# Altium PCB ITA_v2_(before pin moves).PcbDoc
Units mm, origin at the board's own origin, x right, y up, seen from the top; angles counter-clockwise.
Board outline 66 x 110 mm, 2 copper layers (Component Side, Bottom Layer), stack 1.571 mm thick; 37 components, 40 nets, 155 pads, 2 vias.
Unrouted connection lines stored in the file: 1.
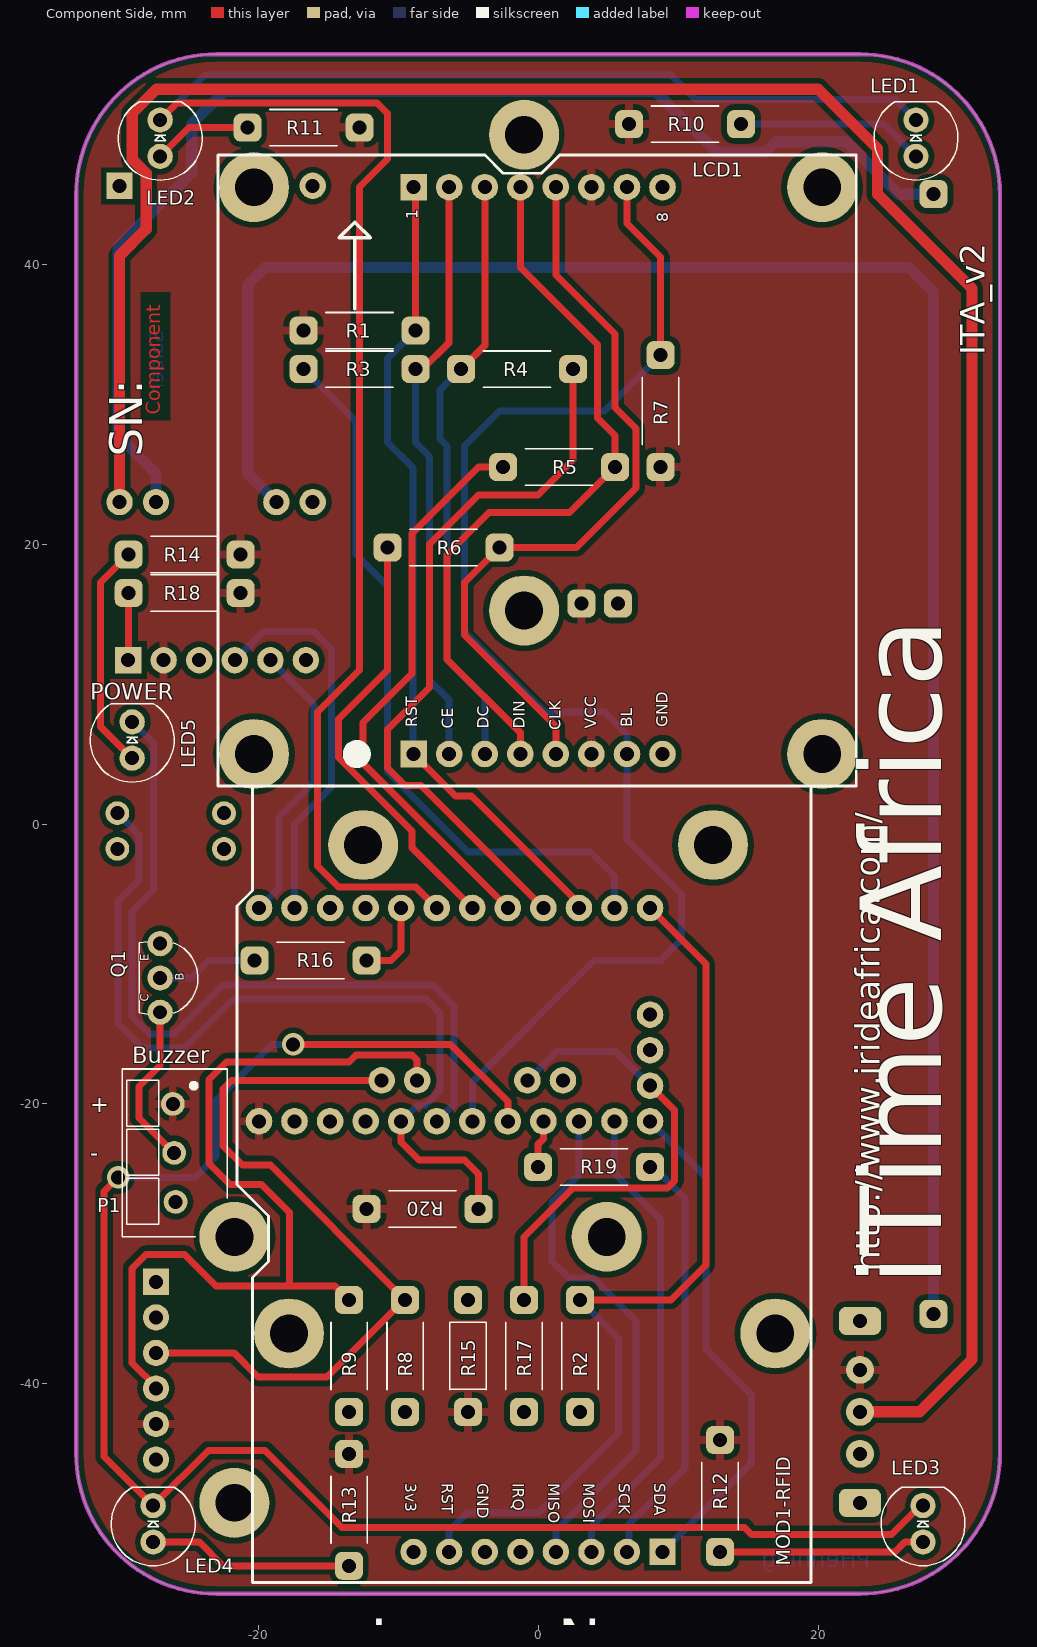
[diagram p0: Component Side view]
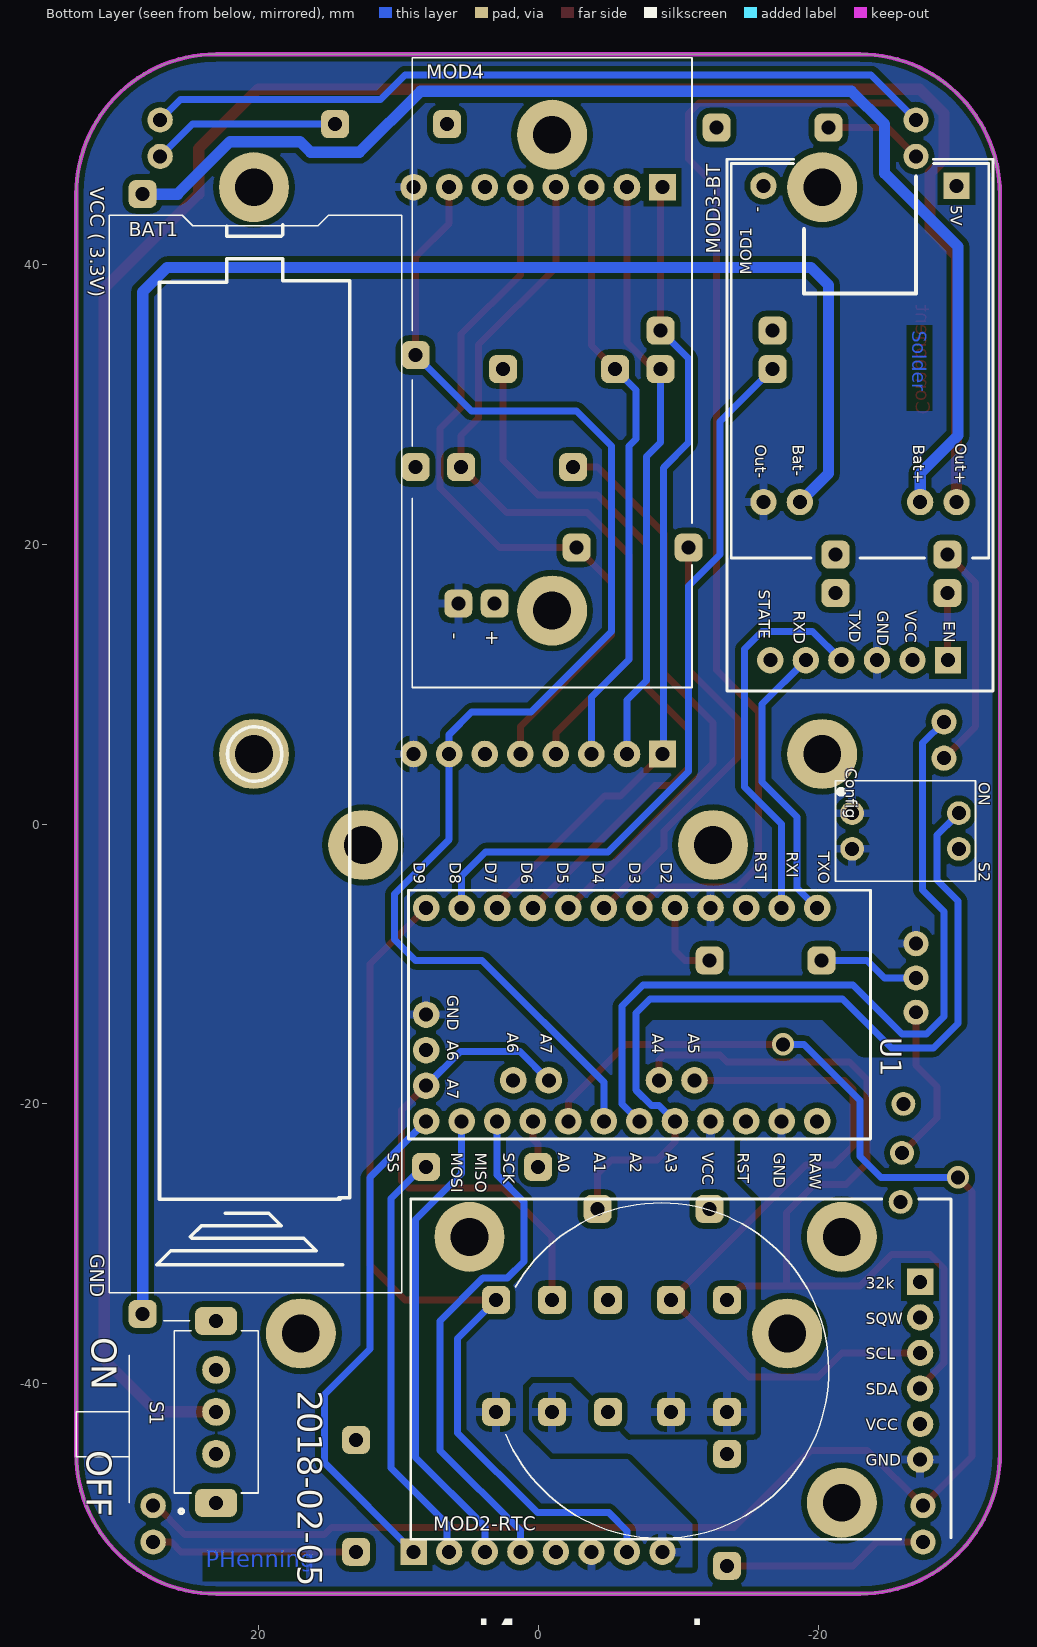
[diagram p1: Bottom Layer view, seen from below]
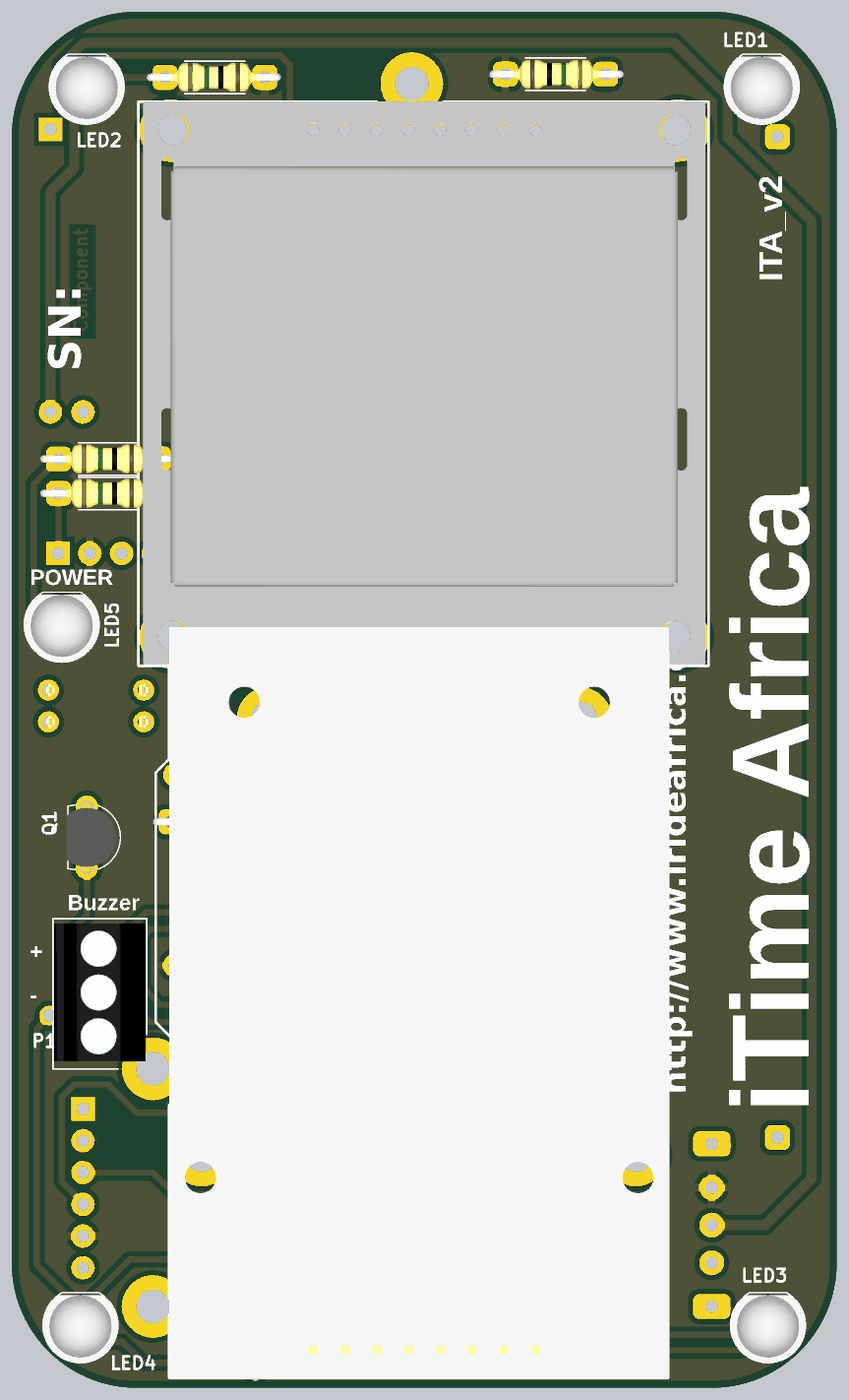
[diagram p2: 3D render of the assembled board from above, using the file's embedded part models]

## Layer stack, top to bottom
Top Solder: solder mask 0.0102, Solder Resist, Dk 3.5
Component Side: signal copper 0.0356
Dielectric 1: core 1.5, FR-4, Dk 4.2
Bottom Layer: signal copper 0.0356
Solder Side: solder mask 0.0102, Solder Resist, Dk 3.5

## Board outline
-33,-45 ccw(c-23,-45) -23,-55 23,-55 ccw(c23,-45) 33,-45 33,45 ccw(c23,45) 23,55 -23,55 ccw(c-23,45) -33,45

## Design rules (kind name [scope] priority, off if disabled: settings)
Clearance [All] p1: gap=0.2 ignorepadtopadclearanceinfootprint=FALSE except(0: Arc-Hole Track-Hole SMDPad-Hole THPad-Hole Via-Hole Fill-Hole Poly-Hole Region-Hole Text-Hole; 0.4: Arc-Fill Arc-Poly Arc-Region Track-Fill Track-Poly Track-Region SMDPad-Fill SMDPad-Poly SMDPad-Region THPad-Fill THPad-Poly THPad-Region Via-Fill Via-Poly Via-Region Fill-Fill Fill-Poly Fill-Region Poly-Poly Poly-Region Region-Region)
ComponentClearance "NT overlap" [(HasFootprint('NT 2 Pin 0.2mm Top')) vs (HasFootprint('RES 0402 H0-35 R'))] p1: gap=-1 collisioncheckmode=3 verticalgap=-1 showdistances=FALSE
ComponentClearance [All] p2: gap=0.19 collisioncheckmode=3 verticalgap=0.2 showdistances=TRUE
FabricationTestPointUsage TestPointUsage [All] p1: valid=0 allowmultiple=FALSE
FabricationTestpoint Testpoint [All] p1: side=3 testpointundercomponent=TRUE minsize=1.016 maxsize=2.54 preferedsize=1.524 minholesize=0 maxholesize=1.016 preferedholesize=0.813 testpointgrid=0.025 allowsidetop=TRUE allowsidebottom=TRUE usegrid=TRUE gridtolerance=0
Height "Height Top" [OnLayer('Top Layer')] p1: minheight=0 maxheight=20 prefheight=5
Height "Height Bottom" [OnLayer('Bottom Layer')] p2: minheight=0 maxheight=20 prefheight=1
HoleSize HoleSize_VIA [isvia] p1: absolutevalues=TRUE maxlimit=1 minlimit=0.25 maxpercent=80.000 minpercent=20.000
HoleSize [not isvia] p2: absolutevalues=TRUE maxlimit=3.3 minlimit=0.5 maxpercent=80.000 minpercent=20.000
HoleToHoleClearance [All] p1: gap=0.2 allowstackedmicrovias=TRUE
MaximumViaCount "Dif Pairs" [InAnyDifferentialPair] p1: limit=3
MinimumSolderMaskSliver [All] p1: minsoldermaskwidth=0.2
PlaneClearance BGA_VIAs [WithinRoom('Room_Kintex')] p1: clearance=0.25
PlaneClearance [All] p2: clearance=0.3
PlaneConnect "PlaneConnect THL" [IsThruPin] p1: planeconnectstyle=Relief reliefexpansion=0.2 reliefentries=4 reliefconductorwidth=0.4 reliefairgap=0.3
PlaneConnect [All] p2: planeconnectstyle=Direct reliefexpansion=0.381 reliefentries=4 reliefconductorwidth=0.381 reliefairgap=0.254
PolygonConnect Via [IsVia] p1: connectstyle=Direct reliefconductorwidth=0.254 reliefentries=4 polygonreliefangle="90 Angle" airgapwidth=0.254
PolygonConnect Direct [InPolygonClass('Direct connect')] p2: connectstyle=Direct reliefconductorwidth=0.254 reliefentries=4 polygonreliefangle="90 Angle" airgapwidth=0.254
PolygonConnect "Relief 0.3" [All] p3: connectstyle=Relief reliefconductorwidth=0.6 reliefentries=4 polygonreliefangle="90 Angle" airgapwidth=0.4
RoutingCorners [All] p1: cornerstyle=45-Degree minsetback=2 maxsetback=2
RoutingLayers "Impedance Traces" [InDifferentialPairClass('Diff 85R') or InDifferentialPairClass('Diff 100R')] p1: top layer_v5=TRUE bottom layer_v5=TRUE
RoutingLayers [All] p2: top layer_v5=TRUE bottom layer_v5=TRUE
RoutingVias [All] p1: holewidth=1 width=1.6 viastyle="Through Hole" minholewidth=1 minwidth=1.6 maxholewidth=1 maxwidth=1.6 // Hole Size specified as drill size
ShortCircuit "ShortCircuit No Net objects" [InNet('No Net') and (OnTopLayer or OnBottomLayer) vs InNet('No Net') and (OnTopLayer or OnBottomLayer)] p1 off: allowed=TRUE
SilkToSolderMaskClearance SilkscreenOverComponentPads [IsPad] p1: minsilkscreentomaskgap=0.01 clearancetoexposedcopper=FALSE
SolderMaskExpansion "SolderMaskExpansion Via" [isVia] p1: expansion=-0.125
SolderMaskExpansion [All] p2: expansion=0.05
ViasUnderSMD [All] p1 off: allowed=FALSE
Width "Width 50R" [InNetClass('50R')] p1: maxlimit=0.25 minlimit=0.2 preferedwidth=0.2 minimp=50.000000 maximp=50.000000 favimp=50.000000
Width "Width Power" [InNetClass('Power')] p2: maxlimit=1 minlimit=0.2 preferedwidth=0.6 minimp=50.000000 maximp=50.000000 favimp=50.000000
Width [All] p3: maxlimit=0.5 minlimit=0.2 preferedwidth=0.3 minimp=50.000000 maximp=50.000000 favimp=50.000000
17 further rules are at their usual default settings.

## Classes and differential pairs
net class Power: 3v3 batt_negative batt_positive Vload Vraw

## Components (designator, comment, footprint, x,y, rotation, side; value= is the part's Value field where it differs from the comment)
BAT1 "Battery Holder" "Battery Holder" 20.25,5 r270 bottom locked
LCD1 "nokia 5110 lcd" "Nokia 5110 GLCD 84x48" 0,5 r90 top locked
LED1 "LED Red 5mm" "LED THL 5x9mm Vert" 27,49 r90 top
LED2 "LED Red 5mm" "LED THL 5x9mm Vert" -27,49 r90 top
LED3 "LED Red 5mm" "LED THL 5x9mm Vert" 27.5,-50 r90 top
LED4 "LED Red 5mm" "LED THL 5x9mm Vert" -27.5,-50 r90 top
LED5 "LED Red 5mm" "LED THL 5x9mm Vert" -29,6 r90 top
MOD1 "Real Time Clock DS3231" Charger/protection -23,35 r270 bottom locked
MOD1-RFID "RFID module" RFID-RC522 0,-52 r270 top locked
MOD2-RTC "Real Time Clock DS3231" "RTC DS3231" -29.5,-39 r180 bottom locked
MOD3-BT "Bluetooth module" "BlueTooth Card" -23,9.5 r270 bottom locked
MOD4 "1S 3.7V Lithium Battery Capacity Indicator Module 4.2V" "Battery Indicator" -1,32.25 r270 bottom
P1 "3 pin Screw Terminal 3.5mm" "3x1 Screw terminal 3.5mm" -26,-23.5 r270 top
Q1 "2n3904" TO-92 -27,-11 r90 top
R1 "4k7" "Res 1/4W THP" -12.75,35.25 r0 top
R2 "4k7" "Res 1/4W THP" 3,-38 r90 top
R3 "100R" "Res 1/4W THP" -12.75,32.5 r0 top
R4 "100R" "Res 1/4W THP" -1.5,32.5 r180 top
R5 "100R" "Res 1/4W THP" 1.5,25.5 r0 top
R6 "100R" "Res 1/4W THP" -6.75,19.75 r0 top
R7 "4k7" "Res 1/4W THP" 8.75,29.5 r90 top
R8 "4k7" "Res 1/4W THP" -9.5,-38 r90 top
R9 "4k7" "Res 1/4W THP" -13.5,-38 r90 top
R10 "100R" "Res 1/4W THP" 10.5,50 r0 top
R11 "100R" "Res 1/4W THP" -16.75,49.75 r180 top
R12 "100R" "Res 1/4W THP" 13,-48 r270 top
R13 "100R" "Res 1/4W THP" -13.5,-49 r270 top
R14 "100R" "Res 1/4W THP" -25.25,19.25 r180 top
R15 "15K" "Res 1/4W THP" -5,-38 r270 top
R16 "100R" "Res 1/4W THP" -16.25,-9.75 r180 top
R17 "4k7" "Res 1/4W THP" -1,-38 r90 top
R18 "4k7" "Res 1/4W THP" -25.25,16.5 r180 top
R19 "100R" "Res 1/4W THP" 4,-24.5 r0 top
R20 "4k7" "Res 1/4W THP" -8.25,-27.5 r180 top
S1 "Slide Switch 3mm pitch" "Slide Switch 3mm" 23,-42 r90 bottom locked
S2 "2x DIP Switch 2.54mm pitch" "2way DIP switch" -26.25,-0.5 r180 bottom
U1 "Arduino Pro Mini" "ARDUINO PRO MINI v2 (NO FTDI)" 8,-6 r270 bottom locked

## Footprints (in the part's own frame and the unit in brackets; to place one, negate y for a bottom-side part, rotate by r counter-clockwise, add the part's x,y. Pads: shape width x height; smd on the part's side, far side on the other; paste and mask are expansions set on the pad)
"2way DIP switch" [mm] "2way DIP switch 2.54pitch"
  round 1.7 hole 1: 1(-3.81,1.27) 2(3.81,1.27) 3(-3.81,-1.27) 4(3.81,-1.27)
  silkscreen extent -5,-3.6 5,3.6, body extent -4.2,-3.55 4,3.55, height 4.4
"3x1 Screw terminal 3.5mm" [mm] "Con Screw terminal 3.5mm"
  round 1.7 hole 1: 1(-3.5,-0.1) 2(0,0) 3(3.5,0.1)
  silkscreen extent -6,-3.7 6,3.8, body extent -5.6,-3.6 5.4,3.7, height 8.5
"ARDUINO PRO MINI v2 (NO FTDI)" [mm] "ARDUINO PRO MINI with alternate a6 a7"
  round 1.9 hole 1: 1(0,0) 2(0,2.54) 3(0,5.08) 4(0,7.62) 5(0,10.16) 6(0,12.7) 7(0,15.24) 8(0,17.78) 9(0,20.32) 10(0,22.86) 11(0,25.4) 12(0,27.94) 19(15.24,27.94) 20(7.62,0) 20(15.24,25.4) 21(15.24,22.86) 22(15.24,20.32) 23(15.24,17.78) 24(15.24,15.24) 25(15.24,12.7) 26(15.24,10.16) 27(15.24,7.62) 28(15.24,5.08) 29(15.24,2.54) 30(15.24,0) 31(10.16,0) 31(12.319,6.223) 32(12.319,8.763) 32(12.7,0) 33(12.319,16.637) 34(12.319,19.177)
  silkscreen extent -1.27,-1.27 16.51,31.75, body extent -1.27,-1.27 16.51,31.75, height 6.2
"Battery Holder" [mm]
  rrect50% 2x2 hole 1: 1(-40,-8) 2(40,-8)
  silkscreen extent -38.5,-10.4 38.5,10.5, body extent -38.5,-10.4 38.5,10.5, height 18.5
"Battery Indicator" [mm] "1S 3.7V Lithium Battery Capacity Indicator Module 4.2V 45x20mm"
  rrect50% 2x2 hole 1: 1(16.5,-4.1) 2(16.5,-6.7)
  round 5 hole 2.7: M(-17,0) M(17,0)
  silkscreen extent -22.5,-10 22.5,10, body extent -22.6,-10.1 22.8,10, height 14.1
"BlueTooth Card" [mm] "BlueTooth Card"
  rect 1.88x1.88 hole 1: 1(-2.2,6.29)
  round 1.88 hole 1: 2(-2.2,3.75) 3(-2.2,1.21) 4(-2.2,-1.33) 5(-2.2,-3.87) 6(-2.2,-6.41)
  silkscreen extent -38,-9.5 0,9.5, body extent -38,-9.6 0,9.4, height 11
Charger/protection [mm] "03962A charging and protection circuit"
  rect 1.88x1.88 hole 1: 1(-10.6,6.9)
  round 1.88 hole 1: 2(-10.6,-6.9) 3(12,6.9) 4(12,4.3) 5(12,-4.3) 6(12,-6.9)
  silkscreen extent -12.2,-9.2 16,9.2, body extent -12.8,-9 15.7,9, height 8
"LED THL 5x9mm Vert" [mm] "LED THL 5x9mm"
  round 1.8 hole 1: 1(-1.3,0) 2(1.3,0)
  silkscreen extent -3,-3 2.6,3, body extent -3.01,-3.01 2.41,3.01, height 12.31
"Nokia 5110 GLCD 84x48" [mm] "Nokia 5110 GLCD 84x48"
  rect 1.9x1.9 hole 1: 1(0,8.89) 1(40.5,8.89)
  round 1.9 hole 1: 2(0,6.35) 2(40.5,6.35) 3(0,3.81) 3(40.5,3.81) 4(0,1.27) 4(40.5,1.27) 5(0,-1.27) 5(40.5,-1.27) 6(0,-3.81) 6(40.5,-3.81) 7(0,-6.35) 7(40.5,-6.35) 8(0,-8.89) 8(40.5,-8.89)
  round 5 hole 2.7: M1(0,20.3) M1(0,-20.3) M1(40.5,-20.3) M1(40.5,20.3)
  silkscreen extent -2.29,-22.73 42.8,22.86, body extent -2.18,-22.5 42.82,22.5, height 9.59
"Res 1/4W THP" [mm]
  rrect50% 2x2 hole 1: 1(-4,0) 2(4,0)
  silkscreen extent -2.4,-1.3 2.4,1.3, body extent -5.3,-1.16 5.46,1.16, height 2.93
RFID-RC522 [mm] "RFID-RC522"
  rect 1.88x1.88 hole 1: 1(0,8.89)
  round 1.88 hole 1: 2(0,6.35) 3(0,3.81) 4(0,1.27) 5(0,-1.27) 6(0,-3.81) 7(0,-6.35) 8(0,-8.89)
  round 5 hole 2.7: M(-50.5,-12.5) M(-50.5,12.5) M(-15.6,16.95) M(-15.6,-17.8)
  silkscreen extent -54.71,-21.5 2.2,19.5, body extent -57.8,-20.4 2.2,19.6, height 13.24
"RTC DS3231" [mm] "Real time clock DS3231"
  rect 1.88x1.88 hole 1: 1(-2.2,6.29)
  round 1.88 hole 1: 2(-2.2,3.75) 3(-2.2,1.21) 4(-2.2,-1.33) 5(-2.2,-3.87) 6(-2.2,-6.41)
  round 5 hole 2.7: M(-34.4,9.5) M(-7.8,-9.5) M(-7.8,9.5)
  silkscreen extent -38.6,-12.1 0,12.2, body extent -39,-11.5 -0.5,11.5, height 13
"Slide Switch 3mm" [mm] "3 pin, 3mm pitch  Verticla or Right angle"
  round 2 hole 1: 1(-3,0) 2(0,0) 3(3,0)
  rrect50% 2x3 hole 1: M(-6.5,0) M(6.5,0)
  silkscreen extent -7.24,-3 6.5,10, body extent -5.8,-3 5.8,3, height 8
TO-92 [mm]
  round 1.8 hole 1: 1(-2.45,0) 2(0,0) 3(2.45,0)
  silkscreen extent -2.58,-2.7 2.6,1.5, body extent -2.79,-2.37 2.79,1.6, height 7.5

## Part data
LCD1: library part "nokia 5110 lcd V2", "nokia 5110 lcd V2", Manufacturer=unknown, Attributes="nokia 5110 lcd", ManufacturerPartNumber=unknown, Supplier_1=https://www.aliexpress.com/item/84-48-LCD-Module-White-backlight-adapter-pcb-for-Nokia-5110/1859113549.html?spm=a2g0s.9042311.0.0.fpwn1h
LED1 LED2 LED3 LED4 LED5: library part "Red LED THP", "Red LED, 5mm THP", Manufacturer=kingbright, ManufacturerPartNumber=L-53SR, Package="5mm x9", Attributes="LED Red 5mm", Supplier_1=http://www.communica.co.za/Catalog/Details/P2732841061
MOD1: library part "Charger / Protection", "LIPO carger and pritection  03962A", ManufacturerPartNumber=03962A, Attributes="Real Time Clock DS3231"
MOD1-RFID: ManufacturerPartNumber=RFID-RC533, Attributes="RFID module", Supplier_1=https://www.aliexpress.com/item/13-56MHz-RFID-MF-RC522-RC-522-Reader-Writer-Module-I2C-Interface-2-Pins-Sensor-Card/32785550279.html?spm=a2g0s.9042311.0.0.wP2Mco
MOD4: library part "Battery Indicator", Package="45mm x 20mm", Attributes="1S 3.7V Lithium Battery Capacity Indicator Module 4.2V", Supplier_1=AlliExpress, Supplier_2=?
P1: Manufacturer=RS, ManufacturerPartNumber=1984950, Package="3x1 3.5mm", Attributes="3 pin Screw Terminal 3.5mm", Supplier_1=https://www.netram.co.za/2955-screw-terminal-35mm-2-pin-5-pk.html
Q1: library part "NPN Transistor", "NPN Transistor", Manufacturer=Fairchild, Package=TO92, Attributes=2n3904, ManufacturerPartNumber=2n3904, Supplier_1=http://www.communica.co.za/Catalog/Details/P0173638625
R1 R2 R3 R4 R5 R6 R7 R8 R9 R10 R11 R12 R13 R14 R15 R16 R17 R18 R19 R20: "Resistor", Package="1/4W THP", Supplier_1=comunica
  R1 R2 R7 R8 R9 R17 R18 R20: Attributes=4k7
  R3 R4 R5 R6 R10 R11 R12 R13 R14 R16 R19: Attributes=100R
  R15: Attributes=15K
S1: Manufacturer="Arcolectric Corporation", Package="3x1 3mm", Attributes="Slide Switch 3mm pitch", Supplier_1=http://www.communica.co.za/Catalog/Details/P2077750286, Supplier_2=http://www.communica.co.za/catalog/Details/P2624616678
S2: library part "2way DIP Switch 2.54mm pitch", "2way DIP Switch 2.54mm pitch", Manufacturer="Arcolectric Corporation", ManufacturerPartNumber=KTS02E, Package="2x2 2.54", Attributes="2x DIP Switch 2.54mm pitch", Supplier_1=http://www.communica.co.za/Catalog/Details/P1597622190, Supplier_2=https://za.rs-online.com/web/p/dip-sip-switches/8772116/
U1: Manufacturer="SparkFun Electronics", ManufacturerPartNumber="DEV-11113  (check this)", Attributes="Arduino Pro Mini", Supplier_1=https://www.aliexpress.com/item/2PCS-New-Pro-Mini-Atmega328-3-3V-8M-Replace-ATmega128-For-Arduino-Compatible-Nano/2037934450.html?spm=a2g0s.9042311.0.0.wP2Mco
BAT1: Attributes="Battery Holder", Supplier_1=AlliExpress, Supplier_2=?
MOD2-RTC: Attributes="Real Time Clock DS3231", Supplier_1=https://www.aliexpress.com/item/DS3231-AT24C32-IIC-High-Precision-RTC-Module-Clock-Timer-Memory-Module/2037934408.html?spm=a2g0s.9042311.0.0.wP2Mco
MOD3-BT: Attributes="Bluetooth module", Supplier_1=https://www.aliexpress.com/item/Wireless-Serial-6-Pin-Bluetooth-RF-Transceiver-Module-HC-05-RS232-Master-Slave/2038549888.html?spm=a2g0s.9042311.0.0.wP2Mco

## Via types
v1: diameter 1.6, hole 1, Component Side to Bottom Layer, 2 vias

## Nets (pads, with @x,y where several pads share a name; then routed paths per layer and width w, separated by ;. In a path a pad name is that pad's centre, name@x,y a point inside that pad or via, vN(x,y) a via of type N, cw(c..) or ccw(c..) an arc to the next point about the centre after c; other vN are vias at no path point)
3v3: MOD1-RFID.8 R2.1 R8.1 R9.1 U1.22
batt_negative: BAT1.2 MOD1.5 | length 139.6
  Bottom Layer w0.8: MOD1.5 -20.75,25.05 -20.75,38.5 -19.5,39.75 26.5,39.75 28.25,38 BAT1.2
batt_positive: BAT1.1 MOD1.4 | length 87.9
  Bottom Layer w0.8: MOD1.4 -27.3,25.05 -30,27.75 -30,41.25 -24.75,46.5 -24.75,50 -22.4,52.35 8.4,52.35 12.75,48 16.25,48 17,48.75 22,48.75 25.75,45 BAT1.1
BT_enable: MOD3-BT.1 R18.2 | length 4.8
  Component Side w0.5: MOD3-BT.1 -29.25,11.74 R18.2
Buzzer: R16.1 U1.8 | length 5.8
  Component Side w0.5: R16.1 -10.5,-9.75 -9.78,-9.03 U1.8
Config: R20.1 S2.2 U1.23 | length 61.2
  Component Side w0.5: U1.23 -9.78,-22.72 -8.5,-24 -5.25,-24 -4.25,-25 R20.1
  Bottom Layer w0.5: S2.2@-29.81,0.52 -28.5,-0.79 -28.51,-0.8 -28.51,-4.01 -30,-5.5 -30,-14.25 -28.25,-16 -25.25,-16 -21.75,-12.5 -8,-12.5 -7,-13.5 -7,-19.02 -8.092,-20.112 -8.652,-20.112 U1.23
GND: LCD1.8 MOD1-RFID.6 MOD1.6 MOD2-RTC.6 MOD3-BT.3 MOD4.2 Q1.3 R17.1 S2.1 S2.3 U1.9 U1.20
LCD_BackLight: LCD1.7 R7.2 U1.25 | length 95.9
  Component Side w0.5: LCD1.7@6.35,45.5 6.35,42.9 8.75,40.5 R7.2 ; LCD1.7@6.35,45.65 LCD1.7@6.425,45.575
  Bottom Layer w0.5: U1.25 -4.7,-18.45 4,-9.75 8.75,-9.75 10.25,-8.25 10.25,-5 6.35,-1.1 6.35,5 6.35,6.4 4.75,8 0.5,8 -5.25,13.75 -5.25,27 -2.75,29.5 4.75,29.5 R7.2
LCD_ChipEnable: R3.1 U1.2 | length 52.8
  Bottom Layer w0.5: R3.1 -13,28.75 -13,19.25 -10.75,17 -10.75,3.75 -5,-2 3.75,-2 5.46,-3.71 U1.2
LCD_Clock: R6.1 U1.6 | length 31.2
  Component Side w0.5: R6.1 -10.75,11 -14.25,7.5 -14.25,4.75 -9,-0.5 -9,-1.7 U1.6
LCD_DataCommand: R4.1 U1.4 | length 51.8
  Component Side w0.5: U1.4 -8.37,2.75 -9.5,2.75 -10.75,4 -10.75,6.75 -7.75,9.75 -7.75,20 -4.25,23.5 0,23.5 2.5,26 R4.1
LCD_DataIn: R5.1 U1.5 | length 41
  Component Side w0.5: R5.1 -4.25,25.5 -9,20.75 -9,10.75 -12.5,7.25 -12.5,4.34 U1.5
LCD_Reset: LCD1.1 R1.2 U1.3 | length 58.7
  Component Side w0.5: LCD1.1@-8.89,5 -5.89,2 -4.75,2 2.92,-5.67 U1.3 ; LCD1.1@-8.89,45.5 -8.75,45.36 R1.2
  Bottom Layer w0.5: LCD1.1@-8.89,5 -8.95,5.06 -8.95,25.45 -10.75,27.25 -10.75,33.25 R1.2
LED_A0: LED3.2 LED4.2 U1.26 | length 122.5
  Component Side w0.5: v1(-30,-25.25) -31,-26.25 -31,-45.2 LED4.2 -23.55,-44.75 -19.5,-44.75 -14,-50.25 14.75,-50.25 15.25,-50.75 25.26,-50.75 27.31,-48.7 LED3.2 ; v1(-17.5,-15.75) -6.25,-15.75 -2.16,-19.84 U1.26
  Bottom Layer w0.5: v1(-30,-25.25) -24.5,-25.25 -23,-23.75 -23,-19.75 -19,-15.75 v1(-17.5,-15.75)
LED_D3: LED1.2 LED2.2 U1.7 | length 139.3
  Component Side w0.5: LED2.2 -25.8,51.5 -11.5,51.5 -10.75,50.75 -10.75,47.5 -12.75,45.5 -12.75,11 -15.75,8 -15.75,-3 -14.25,-4.5 -8.74,-4.5 U1.7
  Bottom Layer w0.5: LED2.2 -23.8,53.5 9.5,53.5 11.25,51.75 25.55,51.75 LED1.2
LED_PWR: LED5.2 U1.24 | length 56.7
  Bottom Layer w0.5: LED5.2 -27.475,5.775 -27.475,-4.725 -29,-6.25 -29,-13.75 -27.75,-15 -26,-15 -22.5,-11.5 -7.5,-11.5 -6,-13 -6,-20 U1.24
NetLCD1_2: LCD1.2 R3.2 | length 42.8
  Component Side w0.5: R3.2 -8.25,32.5 -6.35,34.4 LCD1.2@-6.35,45.5
  Bottom Layer w0.5: R3.2 -8.75,27.25 -7.75,26.25 -7.75,10.25 -6.35,8.85 LCD1.2@-6.35,5
NetLCD1_3: LCD1.3 R4.2 | length 43.1
  Component Side w0.5: R4.2 -3.81,34.19 LCD1.3@-3.81,45.5
  Bottom Layer w0.5: R4.2 -7,31 -7,27.5 -6.5,27 -6.5,11.75 -3.81,9.06 LCD1.3@-3.81,5